# Altium PCB ESP32_LED_Matrix.PcbDoc (continued)
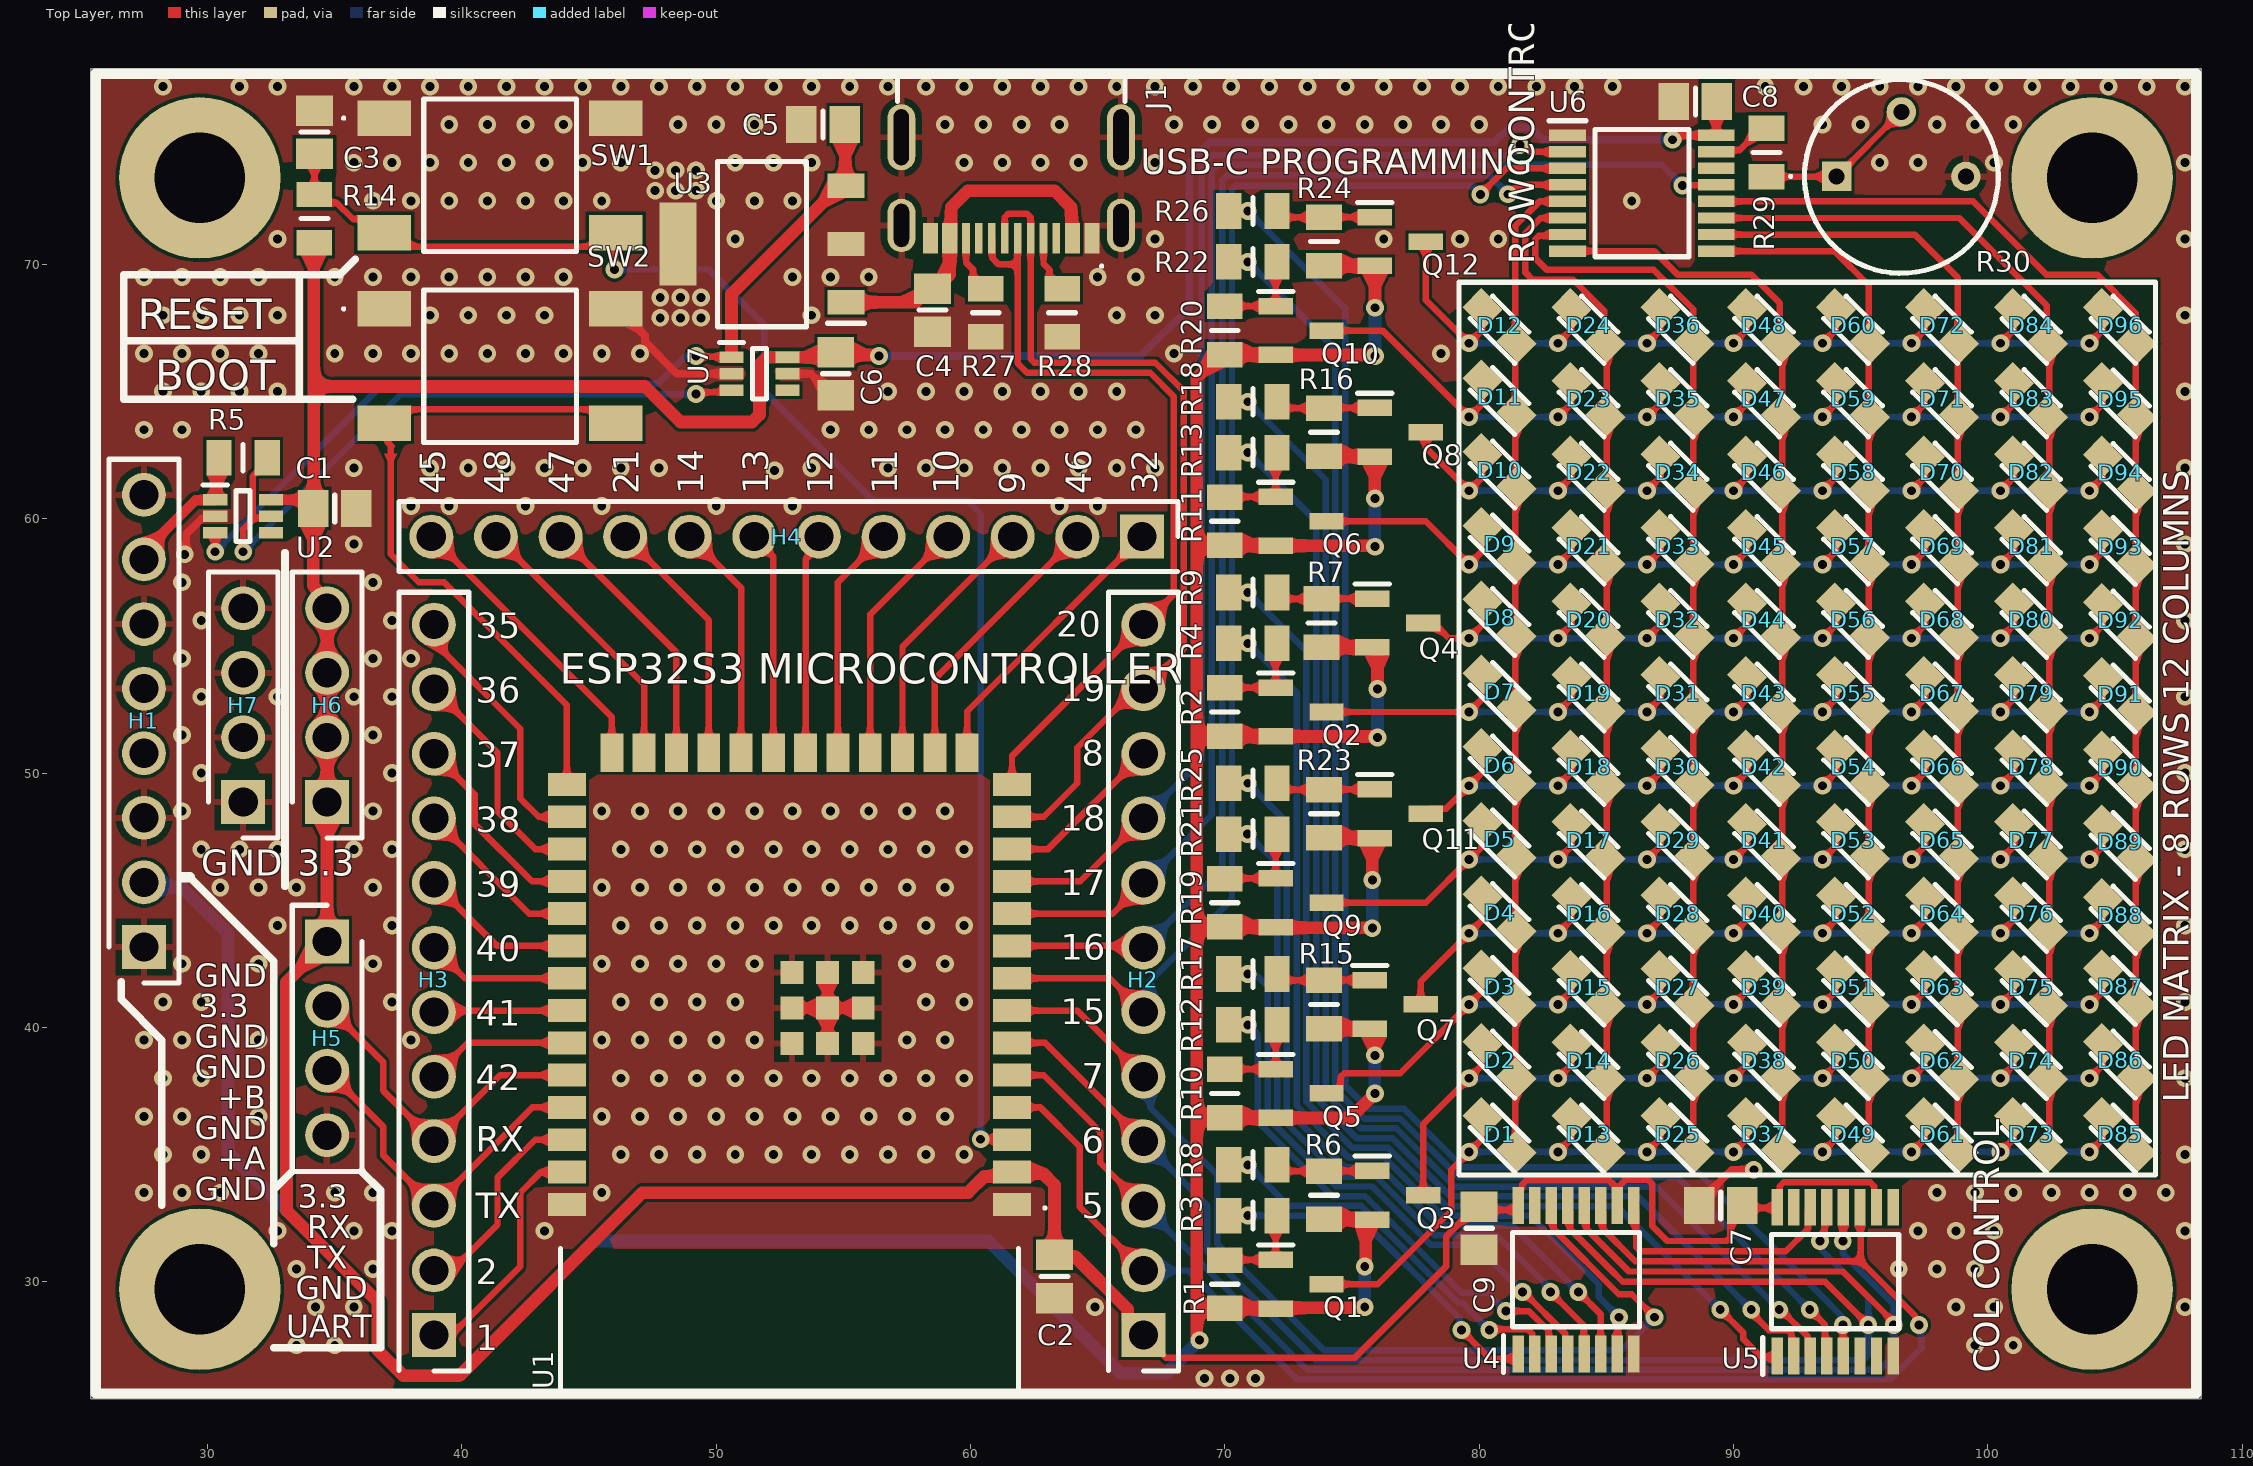
[diagram p0: Top Layer view]
## Nets (pads, with @x,y where several pads share a name; then routed paths per layer and width w, separated by ;. In a path a pad name is that pad's centre, name@x,y a point inside that pad or via, vN(x,y) a via of type N, cw(c..) or ccw(c..) an arc to the next point about the centre after c; other vN are vias at no path point)
+3.3: C1.1 C2.1 C6.1 C7.1 C8.1 C9.1 H2.1 H5.1 H6.1 H6.2 H6.3 H6.4 R14.1 U1.2 U2.6 U4.10 U4.16 U5.10 U5.16 U6.16 U7.6 | length 191.6
  Top Layer w0.254: H2.1 67.7,27 75.1,27 78.7,30.6 78.7,31.775 79.875,32.95 C9.1 ; C9.1@80,32.825 81.525,32.825 81.628,32.928 81.628,33.6 81.701,33.673 81.701,33.832 81.85,33.981 85.119,33.981 85.43,33.67 U4.10 ; 85.49,33.74 85.75,34 86.651,34 86.8,33.851 86.8,32.2 87.4,31.6 89.728,31.6 89.877,31.749 89.877,32.527 C7.1 ; C7.1@90.35,32.9 91.65,32.9 91.725,32.825 91.823,32.923 91.823,33.755 91.972,33.904 95.378,33.904 95.527,33.755 95.527,32.923 U5.10@95.625,32.825
  Top Layer w0.3: v1(87.6,74.9) 87.708,74.9 87.883,75.075 U6.16 89.325,76.375 C8.1
  Top Layer w0.4: U2.6 33.8,60.75 C1.1
  Top Layer w0.5: R14.1 34.175,70.825 34.175,65.2 ; C6.1@54.5,66.35 U7.6 51.993,66.35 51.7,66.057 51.7,64.093 51.407,63.8 48.6,63.8 47.2,65.2 34.175,65.2 ; C6.1 54.812,66.438 56.362,66.438 v1(56.4,66.4) ; H2.1 66.188,28.513 66.188,28.912 64.1,31 63.775,31 63.75,31.025 63.325,31.025 C2.1 63.3,33.8 62.838,34.262 61.679,34.262 U1.2 61.461,34.14 60.54,34.14 59.9,33.5 47.1,33.5 39.9,26.3 37.7,26.3 36.7,27.3 36.7,29.2 33.1,32.8 33.1,41.78 H5.1 H6.1 H6.2 H6.3 H6.4 34.7,56.811 34.15,57.361 C1.1 34.175,60.425 34.175,65.2
  Bottom Layer w0.3: v1(56.4,66.4) 66.7,66.4 68.6,68.3 68.6,74 69.4,74.8 80.6,74.8 81.2,75.4 82,75.4 82.5,74.9 v1(87.6,74.9)
COL_1: D1.2 D13.2 D25.2 D37.2 D49.2 D61.2 D73.2 D85.2 Q1.3 | length 46.2
  Top Layer w0.254: Q1.3 76.015,29.9 78.9,32.785 78.9,34.4 v1(79.6,35.1) 80.128,35.628 80.128,35.803 80.181,35.856 80.181,36.419 D1.2 ; v1(83.1,35.1) 83.628,35.628 83.628,35.803 83.681,35.856 83.681,36.419 D13.2 ; v1(86.6,35.1) 87.128,35.628 87.128,35.803 87.181,35.856 87.181,36.419 D25.2 ; v1(90,35.1) 90.528,35.628 90.528,35.803 90.581,35.856 90.581,36.419 D37.2 ; v1(93.5,35.1) 94.028,35.628 94.028,35.803 94.081,35.856 94.081,36.419 D49.2 ; v1(97,35.1) 97.528,35.628 97.528,35.803 97.581,35.856 97.581,36.419 D61.2 ; v1(100.5,35.1) 101.028,35.628 101.028,35.803 101.081,35.856 101.081,36.419 D73.2 ; v1(104,35.1) 104.528,35.628 104.528,35.803 104.581,35.856 104.581,36.419 D85.2
  Bottom Layer w0.254: v1(79.6,35.1) v1(93.5,35.1) v1(100.5,35.1) v1(104,35.1)
COL_2: D2.2 D14.2 D26.2 D38.2 D50.2 D62.2 D74.2 D86.2 Q3.3 | length 37.1
  Top Layer w0.254: Q3.3 77.8,36.2 v1(79.6,38) 80.128,38.528 D2.2@80.128,38.703 ; v1(83.1,38) 83.628,38.528 D14.2@83.628,38.703 ; v1(86.6,38) 87.128,38.528 D26.2@87.128,38.703 ; v1(90,38) 90.528,38.528 D38.2@90.528,38.703 ; v1(93.5,38) 94.028,38.528 D50.2@94.028,38.703 ; v1(97,38) 97.528,38.528 D62.2@97.528,38.703 ; v1(100.5,38) 101.028,38.528 D74.2@101.028,38.703 ; v1(104,38) 104.528,38.528 D86.2@104.528,38.703
  Bottom Layer w0.254: v1(79.6,38) v1(100.5,38) v1(104,38)
COL_3: D3.2 D15.2 D27.2 D39.2 D51.2 D63.2 D75.2 D87.2 Q5.3 | length 39.1
  Top Layer w0.254: Q5.3 74.35,37.4 74.548,37.598 74.548,38.051 74.697,38.2 76.9,38.2 v1(79.6,40.9) 80.128,41.428 D3.2@80.128,41.603 ; v1(83.1,40.9) 83.628,41.428 D15.2@83.628,41.603 ; v1(86.6,40.9) 87.128,41.428 D27.2@87.128,41.603 ; v1(90,40.9) 90.528,41.428 D39.2@90.528,41.603 ; v1(93.5,40.9) 94.028,41.428 D51.2@94.028,41.603 ; v1(97,40.9) 97.528,41.428 D63.2@97.528,41.603 ; v1(100.5,40.9) 101.028,41.428 D75.2@101.028,41.603 ; v1(104,40.9) 104.528,41.428 D87.2@104.528,41.603
  Bottom Layer w0.254: v1(79.6,40.9) v1(100.5,40.9) v1(104,40.9)
COL_4: D4.2 D16.2 D28.2 D40.2 D52.2 D64.2 D76.2 D88.2 Q7.3 | length 35.4
  Top Layer w0.254: Q7.3 77.7,41.8 v1(79.6,43.7) 80.128,44.228 80.128,44.403 ; v1(83.1,43.7) 83.628,44.228 D16.2@83.628,44.403 ; v1(86.6,43.7) 87.128,44.228 D28.2@87.128,44.403 ; v1(90,43.7) 90.528,44.228 D40.2@90.528,44.403 ; v1(93.5,43.7) 94.028,44.228 D52.2@94.028,44.403 ; v1(97,43.7) 97.528,44.228 D64.2@97.528,44.403 ; v1(100.5,43.7) 101.028,44.228 D76.2@101.028,44.403 ; v1(104,43.7) 104.528,44.228 D88.2@104.528,44.403
  Bottom Layer w0.254: v1(79.6,43.7) v1(100.5,43.7) v1(104,43.7)
COL_5: D5.2 D17.2 D29.2 D41.2 D53.2 D65.2 D77.2 D89.2 Q9.3 | length 38.1
  Top Layer w0.254: Q9.3 77.9,44.9 v1(79.6,46.6) 80.128,47.128 80.128,47.303 ; v1(83.1,46.6) 83.628,47.128 D17.2@83.628,47.303 ; v1(86.6,46.6) 87.128,47.128 D29.2@87.128,47.303 ; v1(90,46.6) 90.528,47.128 D41.2@90.528,47.303 ; v1(93.5,46.6) 94.028,47.128 D53.2@94.028,47.303 ; v1(97,46.6) 97.528,47.128 D65.2@97.528,47.303 ; v1(100.5,46.6) 101.028,47.128 D77.2@101.028,47.303 ; v1(104,46.6) 104.528,47.128 D89.2@104.528,47.303
  Bottom Layer w0.254: v1(79.6,46.6) v1(100.5,46.6) v1(104,46.6)
COL_6: D6.2 D18.2 D30.2 D42.2 D54.2 D66.2 D78.2 D90.2 Q11.3 | length 33.9
  Top Layer w0.254: Q11.3 78.098,48.598 78.698,48.598 79.076,48.976 v1(79.6,49.5) 80.128,50.028 80.128,50.203 ; v1(83.1,49.5) 83.628,50.028 D18.2@83.628,50.203 ; v1(86.6,49.5) 87.128,50.028 D30.2@87.128,50.203 ; v1(90,49.5) 90.528,50.028 D42.2@90.528,50.203 ; v1(93.5,49.5) 94.028,50.028 D54.2@94.028,50.203 ; v1(97,49.5) 97.528,50.028 D66.2@97.528,50.203 ; v1(100.5,49.5) 101.028,50.028 D78.2@101.028,50.203 ; v1(104,49.5) 104.528,50.028 D90.2@104.528,50.203
  Bottom Layer w0.254: v1(79.6,49.5) v1(100.5,49.5) v1(104,49.5)
COL_7: D7.2 D19.2 D31.2 D43.2 D55.2 D67.2 D79.2 D91.2 Q2.3 | length 37.4
  Top Layer w0.254: Q2.3 v1(79.6,52.4) 80.128,52.928 80.128,53.103 ; v1(83.1,52.4) 83.628,52.928 D19.2@83.628,53.103 ; v1(86.6,52.4) 87.128,52.928 D31.2@87.128,53.103 ; v1(90,52.4) 90.528,52.928 D43.2@90.528,53.103 ; v1(93.5,52.4) 94.028,52.928 D55.2@94.028,53.103 ; v1(97,52.4) 97.528,52.928 D67.2@97.528,53.103 ; v1(100.5,52.4) 101.028,52.928 D79.2@101.028,53.103 ; v1(104,52.4) 104.528,52.928 D91.2@104.528,53.103
  Bottom Layer w0.254: v1(79.6,52.4) v1(100.5,52.4) v1(104,52.4)
COL_8: D8.2 D20.2 D32.2 D44.2 D56.2 D68.2 D80.2 D92.2 Q4.3 | length 33.8
  Top Layer w0.254: Q4.3 77.998,55.702 78.398,55.702 78.8,55.3 v1(79.6,55.3) 80.128,55.828 80.128,56.003 ; v1(83.1,55.3) 83.628,55.828 D20.2@83.628,56.003 ; v1(86.6,55.3) 87.128,55.828 D32.2@87.128,56.003 ; v1(90,55.3) 90.528,55.828 D44.2@90.528,56.003 ; v1(93.5,55.3) 94.028,55.828 D56.2@94.028,56.003 ; v1(97,55.3) 97.528,55.828 D68.2@97.528,56.003 ; v1(100.5,55.3) 101.028,55.828 D80.2@101.028,56.003 ; v1(104,55.3) 104.528,55.828 D92.2@104.528,56.003
  Bottom Layer w0.254: v1(79.6,55.3) v1(100.5,55.3) v1(104,55.3)
COL_9: D9.2 D21.2 D33.2 D45.2 D57.2 D69.2 D81.2 D93.2 Q6.3 | length 38.1
  Top Layer w0.254: Q6.3 77.9,59.9 v1(79.6,58.2) 80.128,58.728 80.128,58.903 ; v1(83.1,58.2) 83.628,58.728 D21.2@83.628,58.903 ; v1(86.6,58.2) 87.128,58.728 D33.2@87.128,58.903 ; v1(90,58.2) 90.528,58.728 D45.2@90.528,58.903 ; v1(93.5,58.2) 94.028,58.728 D57.2@94.028,58.903 ; v1(97,58.2) 97.528,58.728 D69.2@97.528,58.903 ; v1(100.5,58.2) 101.028,58.728 D81.2@101.028,58.903 ; v1(104,58.2) 104.528,58.728 D93.2@104.528,58.903
  Bottom Layer w0.254: v1(79.6,58.2) v1(100.5,58.2) v1(104,58.2)
COL_10: D10.2 D22.2 D34.2 D46.2 D58.2 D70.2 D82.2 D94.2 Q8.3 | length 34.8
  Top Layer w0.254: Q8.3 77.9,62.8 v1(79.6,61.1) 80.128,61.628 80.128,61.803 ; v1(83.1,61.1) 83.628,61.628 D22.2@83.628,61.803 ; v1(86.6,61.1) 87.128,61.628 D34.2@87.128,61.803 ; v1(90,61.1) 90.528,61.628 D46.2@90.528,61.803 ; v1(93.5,61.1) 94.028,61.628 D58.2@94.028,61.803 ; v1(97,61.1) 97.528,61.628 D70.2@97.528,61.803 ; v1(100.5,61.1) 101.028,61.628 D82.2@101.028,61.803 ; v1(104,61.1) 104.528,61.628 D94.2@104.528,61.803
  Bottom Layer w0.254: v1(79.6,61.1) v1(100.5,61.1) v1(104,61.1)
COL_11: D11.2 D23.2 D35.2 D47.2 D59.2 D71.2 D83.2 D95.2 Q10.3 | length 38.8
  Top Layer w0.254: Q10.3 76.2,67.4 v1(79.6,64) 80.128,64.528 80.128,64.703 ; v1(83.1,64) 83.628,64.528 D23.2@83.628,64.703 ; v1(86.6,64) 87.128,64.528 D35.2@87.128,64.703 ; v1(90,64) 90.528,64.528 D47.2@90.528,64.703 ; v1(93.5,64) 94.028,64.528 D59.2@94.028,64.703 ; v1(97,64) 97.528,64.528 D71.2@97.528,64.703 ; v1(100.5,64) 101.028,64.528 D83.2@101.028,64.703 ; v1(104,64) 104.528,64.528 D95.2@104.528,64.703
  Bottom Layer w0.254: v1(79.6,64) v1(100.5,64) v1(104,64)
COL_12: D12.2 D24.2 D36.2 D48.2 D60.2 D72.2 D84.2 D96.2 Q12.3 | length 36.5
  Top Layer w0.254: Q12.3 77.9,68.6 v1(79.6,66.9) 80.128,67.428 D12.2@80.128,67.603 ; v1(83.1,66.9) 83.628,67.428 D24.2@83.628,67.603 ; v1(86.6,66.9) 87.128,67.428 D36.2@87.128,67.603 ; v1(90,66.9) 90.528,67.428 D48.2@90.528,67.603 ; v1(93.5,66.9) 94.028,67.428 D60.2@94.028,67.603 ; v1(97,66.9) 97.528,67.428 D72.2@97.528,67.603 ; v1(100.5,66.9) 101.028,67.428 D84.2@101.028,67.603 ; v1(104,66.9) 104.528,67.428 D96.2@104.528,67.603
  Bottom Layer w0.254: v1(79.6,66.9) v1(100.5,66.9) v1(104,66.9)
COL_DS: H2.5 U1.7 U4.14 | length 39.7
  Top Layer w0.254: U1.7 64.2,40.66 H2.5 ; U4.14@82.825,32.825 82.923,32.727 82.923,32.068 85.491,29.5 86,29.5 v1(86.9,28.6)
  Bottom Layer w0.254: H2.5 67.081,37.779 67.081,36.818 69.7,34.199 69.7,31.5 73.9,27.3 85.6,27.3 v1(86.9,28.6)
COL_OE: H2.4 U1.6 U4.13 U5.13 | length 60.2
  Top Layer w0.254: U1.6 62.93,39.39 65.2,37.12 H2.4 ; U4.13@83.475,32.825 83.573,32.727 83.573,32.068 85.122,30.519 85.641,30 93.6,30 v1(95.3,28.3) ; v1(93.4,31.6) 93.4,31.721 93.577,31.898 93.577,32.727 U5.13@93.675,32.825
  Bottom Layer w0.254: H2.4@67.103,35.197 69.3,33 69.3,31.2 73.581,26.919 95.108,26.919 95.3,27.111 v1(95.3,28.3) 95.3,29.4 93.485,31.215 93.485,31.515 v1(93.4,31.6)
COL_SH_CP: H2.2 U1.4 U4.11 U5.11 | length 60
  Top Layer w0.254: U1.4 62.75,36.85 64.3,35.3 64.3,32.94 H2.2 ; U4.11@84.775,32.825 84.873,32.727 84.873,32.068 86.141,30.8 95,30.8 ; U5.11@94.975,32.825 95,32.8 95,30.8 ; v1(97.3,28.3) 97.3,28.421 97.137,28.584 97.137,28.663 95,30.8
  Bottom Layer w0.254: H2.2 68.56,30.44 72.843,26.157 96.157,26.157 97.4,27.4 97.4,27.654 97.385,27.669 97.385,28.215 v1(97.3,28.3)
COL_ST_CP: H2.3 U1.5 U4.12 U5.12 | length 61.5
  Top Layer w0.254: U1.5 62.88,38.12 65.1,35.9 65.1,34.68 H2.3 ; U4.12@84.125,32.825 84.223,32.727 84.223,32.068 85.891,30.4 94.3,30.4 96.3,28.4 v1(96.3,28.3) ; v1(94.3,31.6) 94.313,31.613 94.313,32.812 U5.12@94.325,32.825
  Bottom Layer w0.254: H2.3 73.242,26.538 95.738,26.538 96.3,27.1 v1(96.3,28.3) 96.3,29.1 94.313,31.087 94.313,31.587 v1(94.3,31.6)
EXT_SUPP_EN: R5.1 U2.5 U7.3 | length 26.7
  Top Layer w0.254: v1(31.4,58.7) 31.4,59.6 31.835,60.035 ; R5.1 32.35,62.2 31.977,61.827 31.92,61.827 31.771,61.678 31.771,60.098 31.835,60.035 ; U2.5 32.435,60.035 31.835,60.035 ; v1(49.2,64.9) 49.275,64.975 50.525,64.975 U7.3
  Bottom Layer w0.254: v1(31.4,58.7) 37.6,64.9 v1(49.2,64.9)
GND: C1.2 C2.2 C3.2 C4.2 C5.2 C6.2 C7.2 C8.2 C9.2 H1.1 H1.3 H1.5 H1.6 H1.8 H5.4 H7.1 H7.2 H7.3 H7.4 J1.1 J1.2 J1.3 J1.14 J1.15 J1.16 R27.1 R28.1 R30.3 SW1.1 SW1.2 SW2.1 SW2.2 U1.1 U1.40 U1.41 U1.42 U1.43 U1.44 U1.45 U1.46 U1.47 U1.48 U1.49 U2.2 U3.2 U3.4 U4.8 U5.8 U6.1 U7.2 U7.5 | length 18.7
  Top Layer w0.3: v1(29.1,58.6) 29.158,58.658 29.158,59.4 29.783,60.025 30.225,60.025 U2.2 ; SW2.2 46.139,68.25 47.2,67.189 47.2,66.95 48.45,65.7 U7.2 ; U7.5 53.725,65.7 54.575,64.85 C6.2 ; C7.2 88.65,33.125 89.925,34.4 v1(90.8,34.4)
  Top Layer w0.4: U1.48 U1.41 ; U1.42 U1.41 ; U1.46 U1.41 ; U1.44 U1.41
  other v1: 69.2,26.2 70.2,26.2 71.2,26.2 33.5,27.5 35,27.5 99.5,27.5 101,27.5 34.25,29 35.75,29 64.9,29 98.75,29 100.25,29 107.75,29 33.5,30.5 36.5,30.5 96.5,30.5 98,30.5 99.5,30.5 32.75,32 35.75,32 37.25,32 43.25,32 97.25,32 98.75,32 100.25,32 107.75,32 27.5,33.5 29,33.5 30.5,33.5 35,33.5 36.5,33.5 45.5,33.5 98,33.5 99.5,33.5 101,33.5 102.5,33.5 104,33.5 105.5,33.5 107,33.5 28.25,35 29.75,35 46.25,35 47.75,35 49.25,35 50.75,35 52.25,35 53.75,35 55.25,35 56.75,35 58.25,35 59.75,35 107.75,35 27.5,36.5 29,36.5 32,36.5 45.5,36.5 47,36.5 48.5,36.5 50,36.5 51.5,36.5 53,36.5 54.5,36.5 56,36.5 57.5,36.5 59,36.5 28.25,38 29.75,38 46.25,38 47.75,38 49.25,38 50.75,38 52.25,38 53.75,38 55.25,38 56.75,38 58.25,38 59.75,38 107.75,38 27.5,39.5 29,39.5 32,39.5 38,39.5 45.5,39.5 47,39.5 48.5,39.5 50,39.5 51.5,39.5 57.5,39.5 59,39.5 28.25,41 29.75,41 37.25,41 46.25,41 47.75,41 49.25,41 50.75,41 58.25,41 59.75,41 107.75,41 29,42.5 32,42.5 36.5,42.5 45.5,42.5 47,42.5 48.5,42.5 50,42.5 51.5,42.5 57.5,42.5 59,42.5 32.75,44 37.25,44 46.25,44 47.75,44 49.25,44 50.75,44 52.25,44 53.75,44 55.25,44 56.75,44 58.25,44 59.75,44 107.75,44 30.5,45.5 32,45.5 33.5,45.5 36.5,45.5 45.5,45.5 47,45.5 48.5,45.5 50,45.5 51.5,45.5 53,45.5 54.5,45.5 56,45.5 57.5,45.5 59,45.5 29.75,47 31.25,47 32.75,47 35.75,47 37.25,47 46.25,47 47.75,47 49.25,47 50.75,47 52.25,47 53.75,47 55.25,47 56.75,47 58.25,47 59.75,47 107.75,47 29,48.5 36.5,48.5 45.5,48.5 47,48.5 48.5,48.5 50,48.5 51.5,48.5 53,48.5 54.5,48.5 56,48.5 57.5,48.5 59,48.5 29.75,50 37.25,50 107.75,50 29,51.5 36.5,51.5 29.75,53 32.75,53 35.75,53 37.25,53 107.75,53 29,54.5 36.5,54.5 38,54.5 29.75,56 37.25,56 107.75,56 29,57.5 36.5,57.5 35.75,59 107.75,59 38,60.5 39.5,60.5 42.5,60.5 45.5,60.5 50,60.5 53,60.5 63.5,60.5 65,60.5 52.3,61.9 35.75,62 38.75,62 40.25,62 41.75,62 43.25,62 44.75,62 46.25,62 47.75,62 53.75,62 56.75,62 58.25,62 59.75,62 61.25,62 62.75,62 64.25,62 65.75,62 67.25,62 107.75,62 27.5,63.5 29,63.5 54.5,63.5 56,63.5 57.5,63.5 59,63.5 60.5,63.5 62,63.5 63.5,63.5 65,63.5 66.5,63.5 28.25,65 29.75,65 31.25,65 32.75,65 56.75,65 58.25,65 59.75,65 61.25,65 62.75,65 64.25,65 65.75,65 107.75,65 27.5,66.5 29,66.5 30.5,66.5 32,66.5 35,66.5 36.5,66.5 38,66.5 39.5,66.5 41,66.5 42.5,66.5 44,66.5 45.5,66.5 47,66.5 68,66.5 78.5,66.5 47.8,67.9 48.6,67.9 49.4,67.9 28.25,68 29.75,68 31.25,68 32.75,68 38.75,68 40.25,68 41.75,68 43.25,68 53.75,68 65.75,68 67.25,68 107.75,68 47.8,68.7 48.6,68.7 49.4,68.7 27.5,69.5 29,69.5 30.5,69.5 32,69.5 35,69.5 36.5,69.5 38,69.5 39.5,69.5 41,69.5 42.5,69.5 44,69.5 53,69.5 54.5,69.5 56,69.5 65,69.5 66.5,69.5 32.75,71 50.75,71 67.25,71 76.25,71 79.25,71 80.75,71 107.75,71 36.5,72.5 38,72.5 39.5,72.5 41,72.5 42.5,72.5 44,72.5 45.5,72.5 50,72.5 51.5,72.5 53,72.5 86,72.5 47.6,72.9 48.4,72.9 49.2,72.9 47.6,73.7 48.4,73.7 49.2,73.7 35.75,74 37.25,74 38.75,74 40.25,74 41.75,74 43.25,74 44.75,74 46.25,74 50.75,74 52.25,74 53.75,74 59.75,74 61.25,74 62.75,74 64.25,74 67.25,74 95.75,74 97.25,74 100.25,74 107.75,74 39.5,75.5 41,75.5 42.5,75.5 44,75.5 48.5,75.5 50,75.5 51.5,75.5 59,75.5 60.5,75.5 62,75.5 63.5,75.5 68,75.5 69.5,75.5 71,75.5 72.5,75.5 74,75.5 75.5,75.5 77,75.5 78.5,75.5 80,75.5 93.5,75.5 95,75.5 98,75.5 99.5,75.5 101,75.5 28.25,77 31.25,77 32.75,77 35.75,77 37.25,77 38.75,77 40.25,77 41.75,77 43.25,77 44.75,77 46.25,77 47.75,77 49.25,77 50.75,77 52.25,77 53.75,77 55.25,77 56.75,77 58.25,77 59.75,77 61.25,77 62.75,77 64.25,77 65.75,77 67.25,77 68.75,77 70.25,77 71.75,77 73.25,77 74.75,77 76.25,77 77.75,77 79.25,77 80.75,77 82.25,77 83.75,77 85.25,77 91.25,77 92.75,77 94.25,77 95.75,77 97.25,77 98.75,77 100.25,77 101.75,77 103.25,77 104.75,77 106.25,77 107.75,77
GPIO1: H3.1 U1.39 | length 9.9
  Top Layer w0.254: H3.1@38.9,27.2 42.3,30.6 42.3,33.5 43.11,34.31 U1.39
GPIO2: H3.2 U1.38 | length 8.7
  Top Layer w0.254: H3.2@38.9,29.74 41.4,32.24 41.4,34.1 42.88,35.58 U1.38
GPIO3: H4.1 U1.15 | length 11.3
  Top Layer w0.254: U1.15 59.866,52.426 H4.1
GPIO8: H2.10 U1.12 | length 6.7
  Top Layer w0.254: U1.12 63.05,47.01 H2.10
GPIO9: H4.3 U1.17 | length 10.3
  Top Layer w0.254: U1.17 57.326,54.966 H4.3
GPIO10: H4.4 U1.18 | length 9.8
  Top Layer w0.254: U1.18 56.056,56.236 H4.4
GPIO11: H4.5 U1.19 | length 9.2
  Top Layer w0.254: U1.19 54.786,57.506 H4.5
GPIO12: H4.6 U1.20 | length 8.7
  Top Layer w0.254: U1.20 53.516,58.416 54.04,58.94 H4.6
GPIO13: H4.7 U1.21 | length 8.8
  Top Layer w0.254: H4.7 51.5,59.244 52.246,58.498 U1.21
GPIO14: H4.8 U1.22 | length 9.3
  Top Layer w0.254: H4.8 50.976,57.284 U1.22
GPIO15: H2.6 U1.8 U6.3 | length 53.3
  Top Layer w0.254: U1.8 65.47,41.93 H2.6 ; v1(80.045,72.755) 81.066,73.775 U6.3
  Bottom Layer w0.254: H2.6 67.081,40.881 67.081,41.842 70.281,45.042 70.281,72.951 70.43,73.1 79.7,73.1 v1(80.045,72.755)
GPIO16: H2.7 U1.9 U6.4 | length 50.8
  Top Layer w0.254: U1.9 66.74,43.2 H2.7 ; v1(81.14,72.76) 81.261,72.76 81.626,73.125 U6.4
  Bottom Layer w0.254: H2.7 69.9,46.24 69.9,73.3 70.1,73.5 80.4,73.5 v1(81.14,72.76)
GPIO17: H2.8 U1.10 U6.13 | length 55.1
  Top Layer w0.254: U1.10 65.59,44.47 H2.8 ; v1(88,73.1) 88.012,73.113 89.313,73.113 U6.13
  Bottom Layer w0.254: H2.8 69.481,48.361 69.481,73.681 69.719,73.919 87.181,73.919 v1(88,73.1)
GPIO18: H2.9 U1.11 U6.2 | length 47.6
  Top Layer w0.254: U1.11 64.32,45.74 H2.9 ; v1(81.6,74.7) 81.721,74.7 81.996,74.425 U6.2
  Bottom Layer w0.254: H2.9 69.1,50.52 69.1,73.9 69.5,74.3 81.2,74.3 v1(81.6,74.7)
GPIO19: H2.11 J1.8 J1.10 U1.13 | length 34.5
  Top Layer w0.254: J1.8 61.346,71.851 61.495,72 62.213,72 62.362,71.851 J1.10 62.362,66.287 62.511,66.138 67.262,66.138 68.381,65.019 68.381,54.881 H2.11 66.5,53.3 64.2,51 64.2,49.6 62.88,48.28 U1.13
GPIO20: H2.12 J1.7 J1.9 U1.14 | length 31.4
  Top Layer w0.254: J1.7 60.861,71.002 60.861,70.239 61.1,70 61.854,70 ; U1.14 61.631,50.671 H2.12 68,57.04 68,64.8 67.062,65.738 62.223,65.738 61.854,66.107 61.854,70 ; J1.9 61.854,70
GPIO21: H4.9 U1.23 | length 9.9
  Top Layer w0.254: H4.9 49.706,56.014 U1.23
GPIO35: H3.12 U1.28 | length 9.7
  Top Layer w0.254: H3.12@38.9,55.14 42.3,51.74 42.3,49 43.02,48.28 U1.28
GPIO36: H3.11 U1.29 | length 9.2
  Top Layer w0.254: H3.11 41.4,50.8 41.4,48.5 42.89,47.01 U1.29
GPIO37: H3.10 U1.30 | length 8
  Top Layer w0.254: H3.10 40.5,49.16 40.5,48 42.76,45.74 U1.30
GPIO38: H3.9 U1.31 | length 6.8
  Top Layer w0.254: H3.9 42.65,44.47 U1.31
GPIO39: H3.8 U1.32 | length 6.3
  Top Layer w0.254: H3.8 41.38,43.2 U1.32
GPIO40: H3.7 U1.33 | length 5.7
  Top Layer w0.254: H3.7 40.11,41.93 U1.33
GPIO41: H3.6 U1.34 | length 5.3
  Top Layer w0.254: H3.6 38.96,40.66 U1.34
GPIO42: H3.5 U1.35 | length 5.8
  Top Layer w0.254: H3.5 40.23,39.39 U1.35
GPIO45: H4.12 U1.26 | length 11.4
  Top Layer w0.254: H4.12 45.896,52.204 U1.26
GPIO46: H4.2 U1.16 | length 10.8
  Top Layer w0.254: U1.16 58.596,53.696 H4.2
GPIO47: H4.10 U1.24 | length 10.4
  Top Layer w0.254: H4.10 48.436,54.744 U1.24
GPIO48: H4.11 U1.25 | length 10.9
  Top Layer w0.254: H4.11 47.166,53.474 U1.25
MCU_BOOT: SW2.3 SW2.4 U1.27 | length 28.2
  Top Layer w0.254: U1.27 44.131,52.669 39.3,57.5 38.3,57.5 37.2,58.6 37.2,62.8 37.246,62.846 37.097,62.995 37.024,63.122 36.95,63.196 SW2.3 37.5,64.3 45.5,64.3 SW2.4 ; SW2.4@46,63.8 SW2.4@46.6,63.2
MCU_EN: C3.1 R14.2 SW1.3 SW1.4 U1.3 | length 62
  Top Layer w0.254: C3.1 R14.2 34.54,72.41 35.09,72.41 35.71,71.79 36.41,71.79 SW1.3 ; SW1.3@36.3,70.7 45.6,70.7 SW1.4@46,71.1 ; v1(46,69.8) SW1.4@46,71.1 ; SW1.4@46.1,71.2 SW1.4@46,71.1 ; v1(60.4,35.6) 61.611,35.6 U1.3
  Bottom Layer w0.254: v1(46,69.8) 49.7,69.8 51.896,67.604 51.896,65.004 56.2,60.7 59.9,60.7 60.4,60.2 v1(60.4,35.6)
NetC4_1: C4.1 J1.4 J1.13 U3.1 | length 13.7
  Top Layer w0.5: U3.1 57.835,68.51 58.375,69.05 C4.1 58.625,69.05 59.187,69.612 J1.4 59.237,71.075 59.237,72.237 59.9,72.9 63.3,72.9 63.963,72.237 63.963,71.075 J1.13
NetJ1_5: J1.5 R27.2 | length 2.4
  Top Layer w0.254: J1.5 59.822,70.078 60.1,69.8 60.1,69.423 60.473,69.05 R27.2
NetJ1_11: J1.11 R28.2 | length 2.4
  Top Layer w0.254: J1.11 62.87,70.03 63.1,69.8 63.1,69.423 63.473,69.05 R28.2
NetQ1_1: Q1.1 R1.2 R3.2 | length 3.8
  Top Layer w0.254: R1.2 70.01,30.86 Q1.1 72,32.55 R3.2
NetQ2_1: Q2.1 R2.2 R4.2 | length 3.7
  Top Layer w0.254: R2.2@70.01,53.36 Q2.1 R4.2@72,55.05
NetQ3_1: Q3.1 R6.2 R8.2 | length 3.9
  Top Layer w0.254: R8.2 72.3,34.35 R6.2 ; R6.2@73.9,34.36 Q3.1
NetQ4_1: Q4.1 R7.2 R9.2 | length 3.9
  Top Layer w0.254: R9.2 72.3,56.85 R7.2@73.9,56.85 ; R7.2@73.81,56.86 Q4.1
NetQ5_1: Q5.1 R10.2 R12.2 | length 3.7
  Top Layer w0.254: R10.2@70.01,38.36 Q5.1 R12.2@72,40.05
NetQ6_1: Q6.1 R11.2 R13.2 | length 3.7
  Top Layer w0.254: R11.2@70.01,60.86 Q6.1 R13.2@72,62.55
NetQ7_1: Q7.1 R15.2 R17.2 | length 3.9
  Top Layer w0.254: R17.2@71.95,42.1 72.2,41.85 R15.2@73.8,41.85 ; R15.2@73.71,41.86 Q7.1
NetQ8_1: Q8.1 R16.2 R18.2 | length 3.9
  Top Layer w0.254: R18.2@72.15,64.6 72.4,64.35 R16.2@74,64.35 ; R16.2@73.91,64.36 Q8.1
NetQ9_1: Q9.1 R19.2 R21.2 | length 3.7
  Top Layer w0.254: R19.2@70.01,45.86 Q9.1 R21.2@72,47.55
NetQ10_1: Q10.1 R20.2 R22.2 | length 3.7
  Top Layer w0.254: R20.2@70.01,68.36 Q10.1 R22.2@72,70.05
NetQ11_1: Q11.1 R23.2 R25.2 | length 3.9
  Top Layer w0.254: R25.2@72.15,49.6 72.4,49.35 R23.2@74,49.35 ; R23.2@73.91,49.36 Q11.1
NetQ12_1: Q12.1 R24.2 R26.2 | length 3.9
  Top Layer w0.254: R26.2@72.15,72.1 72.4,71.85 R24.2@74,71.85 ; R24.2@73.91,71.86 Q12.1
NetR29_1: R29.1 U6.15 | length 2.4
  Top Layer w0.254: U6.15 89.39,74.49 90.24,74.49 91.1,75.35 R29.1
NetR29_2: R29.2 R30.1 R30.2 | length 6.4
  Top Layer w0.254: R29.2 93.85,73.45 R30.1@94.06,73.66 ; R30.1 R30.2
NetU4_9: U4.9 U5.14 | length 9.5
  Top Layer w0.254: U4.9@86.075,32.825 86.173,32.727 86.173,31.349 86.322,31.2 92.059,31.2 92.927,32.068 92.927,32.727 U5.14@93.025,32.825
ROW_1: D1.1 D2.1 D3.1 D4.1 D5.1 D6.1 D7.1 D8.1 D9.1 D10.1 D11.1 D12.1 U6.5 | length 39
  Top Layer w0.254: D1.1 81.419,35.181 81.419,66.206 81.525,66.312 81.525,66.875 81.419,66.981 81.419,71.519 82.375,72.475 U6.5
ROW_2: D13.1 D14.1 D15.1 D16.1 D17.1 D18.1 D19.1 D20.1 D21.1 D22.1 D23.1 D24.1 U6.6 | length 40.9
  Top Layer w0.254: U6.6@84.006,71.825 82.425,71.825 81.819,71.219 81.819,69.681 82.1,69.4 83.7,69.4 84.919,68.181 84.919,66.981 D24.1 85.025,66.875 85.025,63.984 85.025,61.093 85.025,58.202 85.025,55.312 85.025,52.421 85.025,49.53 85.025,46.639 85.025,43.748 85.025,40.857 85.025,37.966 85.025,35.85 84.919,35.744 84.919,35.181 D13.1
ROW_3: D25.1 D26.1 D27.1 D28.1 D29.1 D30.1 D31.1 D32.1 D33.1 D34.1 D35.1 D36.1 U6.7 | length 42.4
  Top Layer w0.254: U6.7 83.42,71.12 82.349,71.12 82.2,70.972 82.2,70.249 82.668,69.781 86.87,69.781 88.419,68.232 88.419,66.981 D36.1 88.525,66.875 88.525,66.312 88.419,66.206 88.419,35.181 D25.1
ROW_4: D37.1 D38.1 D39.1 D40.1 D41.1 D42.1 D43.1 D44.1 D45.1 D46.1 D47.1 D48.1 U6.8 | length 42.7
  Top Layer w0.254: U6.8 86.875,70.525 87.8,69.6 90.7,69.6 91.819,68.481 91.819,66.981 D48.1 91.925,66.875 91.925,58.256 91.925,52.474 91.925,35.85 91.819,35.744 91.819,35.181 D37.1
ROW_5: D49.1 D50.1 D51.1 D52.1 D53.1 D54.1 D55.1 D56.1 D57.1 D58.1 D59.1 D60.1 U6.9 | length 40.7
  Top Layer w0.254: U6.9 93.975,70.525 95.319,69.181 95.319,66.981 D60.1 95.425,66.875 95.425,66.312 95.319,66.206 95.319,64.037 95.319,55.365 95.319,49.583 95.319,35.181 D49.1
ROW_6: D61.1 D62.1 D63.1 D64.1 D65.1 D66.1 D67.1 D68.1 D69.1 D70.1 D71.1 D72.1 U6.10 | length 44.7
  Top Layer w0.254: U6.10 97.125,71.175 98.819,69.481 98.819,66.981 D72.1 98.925,66.875 98.925,66.312 98.819,66.206 98.819,64.037 98.819,55.365 98.819,49.583 98.819,35.181 D61.1
ROW_7: D73.1 D74.1 D75.1 D76.1 D77.1 D78.1 D79.1 D80.1 D81.1 D82.1 D83.1 D84.1 U6.11 | length 47.8
  Top Layer w0.254: U6.11 98.875,71.825 102.319,68.381 102.319,66.981 D84.1 102.425,66.875 102.425,55.365 102.425,49.583 102.425,35.85 102.319,35.744 102.319,35.181 D73.1
ROW_8: D85.1 D86.1 D87.1 D88.1 D89.1 D90.1 D91.1 D92.1 D93.1 D94.1 D95.1 D96.1 U6.12 | length 51.4
  Top Layer w0.254: U6.12 99.425,72.475 102.3,69.6 104.302,69.6 105.819,68.083 105.819,66.981 D96.1 105.925,66.875 105.925,66.312 105.819,66.206 105.819,64.028 105.819,55.328 105.819,49.528 105.819,35.181 D85.1
SIG_COL_1: R3.1 U4.1 | length 13.9
  Top Layer w0.254: R3.1 v1(70.9,32.6) ; v1(79.3,28.1) 80.425,26.975 U4.1@81.525,26.975
  Bottom Layer w0.254: v1(70.9,32.6) 75.2,32.6 79.237,28.563 79.237,28.163 v1(79.3,28.1)
SIG_COL_2: R8.1 U4.2 | length 15.7
  Top Layer w0.254: R8.1 70.162,34.588 v1(70.9,34.588) ; v1(80.4,28.1) 80.431,28.131 81.902,28.131 82.082,27.951 82.082,27.068 U4.2@82.175,26.975
  Bottom Layer w0.254: v1(70.9,34.588) 72.506,32.981 75.358,32.981 79.158,29.181 79.319,29.181 v1(80.4,28.1)
SIG_COL_3: R12.1 U4.3 | length 20.7
  Top Layer w0.254: R12.1 v1(70.9,40.1) ; v1(81.058,28.842) 81.958,28.842 82.735,28.065 82.735,27.065 U4.3@82.825,26.975
  Bottom Layer w0.254: v1(70.9,40.1) 71.3,39.7 71.3,36.291 74.229,33.362 75.516,33.362 79.316,29.562 80.338,29.562 v1(81.058,28.842)
SIG_COL_4: R17.1 U4.4 | length 23
  Top Layer w0.254: R17.1 v1(70.9,42.1) ; v1(81.7,29.6) 81.739,29.6 83.377,27.962 U4.4@83.377,27.073
  Bottom Layer w0.254: v1(70.9,42.1) 70.985,42.015 71.285,42.015 71.681,41.619 71.681,36.449 74.387,33.743 75.792,33.743 78.087,31.448 79.852,31.448 v1(81.7,29.6)
SIG_COL_5: R21.1 U4.5 | length 29.1
  Top Layer w0.254: R21.1 v1(70.896,47.6) ; v1(82.8,29.6) 84.112,28.287 84.112,26.988 U4.5@84.125,26.975
  Bottom Layer w0.254: v1@70.9,47.596 72.062,46.434 72.062,36.607 74.545,34.124 75.95,34.124 78.245,31.829 80.692,31.829 82.8,29.721 v1(82.8,29.6)
SIG_COL_6: R25.1 U4.6 | length 31.6
  Top Layer w0.254: R25.1 v1(70.9,49.6) ; v1(83.9,29.6) 84.775,28.725 U4.6@84.775,26.975
  Bottom Layer w0.254: v1(70.9,49.6) 72.443,48.057 72.443,36.765 74.703,34.505 76.108,34.505 78.403,32.21 81.29,32.21 v1(83.9,29.6)
SIG_COL_7: R4.1 U4.7 | length 37.8
  Top Layer w0.254: R4.1 v1(70.9,55.1) ; U4.7@85.425,26.975 85.462,27.012 85.462,28.563 v1(85.5,28.6)
  Bottom Layer w0.254: v1(70.9,55.1) 72.824,53.176 72.824,36.923 74.861,34.886 76.266,34.886 78.561,32.591 82.009,32.591 84.7,29.9 84.7,29.4 v1(85.5,28.6)
SIG_COL_8: R9.1 U5.1 | length 44.6
  Top Layer w0.254: R9.1 v1(70.9,57.1) ; v1(89.479,28.9) 90.393,27.986 90.393,27.74 91.1,27.032 91.627,27.032 91.684,26.975 U5.1@91.725,26.975
  Bottom Layer w0.254: v1(70.9,57.1) 73.205,54.795 73.205,37.081 75.019,35.267 76.424,35.267 78.719,32.972 85.407,32.972 v1(89.479,28.9)
SIG_COL_9: R13.1 U5.2 | length 50.8
  Top Layer w0.254: R13.1 v1(70.9,62.6) ; v1(90.7,28.9) 90.7,28.779 91.383,28.096 92.128,28.096 92.277,27.947 92.277,27.073 U5.2@92.375,26.975
  Bottom Layer w0.254: v1(70.9,62.6) 73.586,59.914 73.586,37.238 75.176,35.648 76.581,35.648 78.876,33.353 86.247,33.353 v1(90.7,28.9)
SIG_COL_10: R18.1 U5.3 | length 53
  Top Layer w0.254: R18.1 v1(70.9,64.6) ; v1(91.8,28.9) 91.863,28.9 92.927,27.836 92.927,27.073 U5.3@93.025,26.975
  Bottom Layer w0.254: v1(70.9,64.6) 73.967,61.533 73.967,37.396 75.334,36.029 76.739,36.029 79.034,33.734 86.966,33.734 v1(91.8,28.9)
SIG_COL_11: R22.1 U5.4 | length 59
  Top Layer w0.254: R22.1 v1(70.9,70.1) ; v1(93,28.9) 93.598,28.302 93.598,27.094 U5.4@93.577,27.073
  Bottom Layer w0.254: v1(70.9,70.1) 74.348,66.652 74.348,37.554 75.492,36.41 76.897,36.41 79.192,34.115 87.785,34.115 v1(93,28.9)
SIG_COL_12: R26.1 U5.5 | length 61.7
  Top Layer w0.254: R26.1 v1(70.9,72.1) ; v1(94.3,28.3) 94.313,28.287 94.313,26.988 U5.5@94.325,26.975
  Bottom Layer w0.254: v1(70.9,72.1) 74.729,68.271 74.729,37.712 75.65,36.791 77.055,36.791 79.35,34.496 88.404,34.496 93.8,29.1 93.8,29.092 94.215,28.677 94.215,28.385 v1(94.3,28.3)
UPDI_RX: H3.4 H5.2 U1.36 | length 13.4
  Top Layer w0.254: H5.2 36.9,38.64 36.9,37.52 H3.4 41.5,38.12 U1.36
UPDI_TX: H3.3 H5.3 U1.37 | length 13.9
  Top Layer w0.254: H5.3 36.9,36.1 36.9,34.98 H3.3 40.5,34.58 42.77,36.85 U1.37
USB_SUPP_EN: C5.1 U2.3 U3.3 U7.1 | length 35.2
  Top Layer w0.254: v1(30.3,58.7) U2.3 ; v1(49.2,66.4) 49.225,66.375 50.575,66.375 U7.1
  Top Layer w0.5: 50.6,66.6 50.6,68.84 54.85,73.09 U3.3 55.075,73.115 55.075,75.475 C5.1
  Bottom Layer w0.254: v1(30.3,58.7) 36.9,65.3 47.7,65.3 48.8,66.4 v1(49.2,66.4)
V_MCU: H1.7 R5.2 U2.1 | length 5.7
  Top Layer w0.4: H1.7 27.5,58.7 29.525,60.725 30.275,60.725 U2.1 30.35,60.75 30.375,60.775 30.375,62.325 R5.2
VCC_1: H1.2 Q1.2 Q2.2 Q3.2 Q4.2 Q5.2 Q6.2 Q7.2 Q8.2 Q9.2 Q10.2 Q11.2 Q12.2 R1.1 R2.1 R6.1 R7.1 R10.1 R11.1 R15.1 R16.1 R19.1 R20.1 R23.1 R24.1 | length 172.9
  Top Layer w0.5: 68.9,58.95 R11.1 70.005,58.945 71.995,58.945 Q6.2 75.86,58.94 v1(75.9,58.9) ; v1(69,27.7) 69,27.754 68.9,27.854 68.9,28.95 ; R10.1@69.995,36.455 68.9,36.455 ; R2.1@69.995,51.455 68.9,51.455 ; R10.1 70.005,36.445 71.995,36.445 Q5.2 74.946,36.44 v1(75.9,37.395) ; R2.1 70.005,51.445 71.995,51.445 Q2.2 ; Q1.2 Q1.2@71.998,28.942 ; Q10.2 71.995,66.445 70.005,66.445 R20.1 69.8,66.45 68.9,65.55 68.9,51.455 ; Q10.2@72.003,66.437 v1@75.862,66.437 ; Q2.2@72.1,51.44 v1@75.96,51.44 ; R7.1 73.805,54.945 75.795,54.945 Q4.2 ; R6.1 73.905,32.445 75.795,32.445 Q3.2@75.798,32.442 ; R15.1 73.905,39.945 75.695,39.945 Q7.2 ; R23.1 73.905,47.445 75.895,47.445 Q11.2 ; R16.1 73.905,62.445 75.895,62.445 Q8.2 v1(75.9,60.8) ; R24.1 73.905,69.945 75.895,69.945 Q12.2 ; v1(75.5,29) 75.47,28.97 72.025,28.97 Q1.2@71.998,28.942 ; v1(75.5,30.6) 75.538,30.638 75.538,32.365 75.616,32.442 Q3.2@75.798,32.442 ; v1@75.76,43.94 75.74,43.92 72.02,43.92 Q9.2 71.995,43.945 70.005,43.945 R19.1 68.9,43.95 ; Q3.2 Q3.2@75.798,32.442 ; v1(75.8,45.8) Q11.2@75.8,47.44 ; Q3.2@75.897,32.442 Q3.2@75.798,32.442 ; v1(75.9,38.9) 75.862,38.938 75.862,39.902 Q7.2@75.9,39.94 ; v1(75.902,68.298) Q12.2@75.902,69.937 ; v1(76,53.3) Q4.2@76,54.94 ; 68.9,28.95 68.9,36.455 ; 68.9,28.95 R1.1 70.005,28.945 71.995,28.945 Q1.2@71.998,28.942 ; 68.9,36.455 68.9,43.95 ; 68.9,43.95 68.9,51.455
  Bottom Layer w0.5: H1.2 27.7,45.5 29,45.5 30.8,43.7 30.8,35.1 36.7,29.2 36.7,27.3 37.7,26.3 39.9,26.3 45.2,31.6 60.7,31.6 65.9,26.4 67.7,26.4 v1(69,27.7) ; v1(75.5,29) v1(75.5,30.6) ; v1(75.8,43.9) v1(75.8,45.8) ; v1(75.9,37.395) v1(75.9,38.9) ; v1(75.9,58.9) v1(75.9,60.8) ; v1(75.902,66.397) v1(75.902,68.298) ; v1(76,51.4) v1(76,53.3)
VCC_2: H1.4
pads on no net: J1.6 J1.12 U2.4 U4.15 U5.6 U5.7 U5.9 U5.15 U6.14 U7.4

## Polygon pours and split planes (outlines as drawn)
GND on Bottom Layer "NONET_L-01_P-001" (solid, remove dead copper, pour order 3): 25.7,77.4 25.7,25.7 108,25.7 108.1,25.8 108.1,77.4
GND on Top Layer "NONET_L-01_P-001" (solid, remove dead copper, pour order 1): 25.7,77.4 25.7,25.7 108,25.7 108.1,25.8 108.1,77.4

## Other copper
Top Layer:
  pour cut-out: 66.74,59.3 38.8,59.3 38.8,59.06 38.74,59 66.74,59
  pour cut-out: 66.8,27.9 66.8,55.84 66.56,55.84 66.5,55.9 66.5,27.9
  pour cut-out: 38.9,27.9 38.9,55.84 39.14,55.84 39.2,55.9 39.2,27.9
  pour cut-out: 43.8,25.4 43.8,31.3 62,31.3 62,25.4
  pour cut-out: 106.8,69.5 106.8,34 79.2,34 79.2,69.5
  pour cut-out: 106.8,69.5 106.8,34 79.2,34 79.2,69.5
Bottom Layer:
  pour cut-out: 43.8,25.4 43.8,31.3 62,31.3 62,25.4

## Silkscreen, mask and mechanical layers (free items; w line width, h text height)
Top Overlay:
  lines w0.2: 79.2,34.2 79.2,69.3 106.6,69.3 106.6,34.2 79.2,34.2
  lines w0.3: 26.6,41.8 26.6,41.1 28.2,39.5 28.2,33 ; 26.7,67 33.6,67 ; 29.3,45.9 32.6,42.6 32.6,32.9 ; 32.6,27.4 36.8,27.4 36.8,33.6 36.07,34.33 ; 32.6,31.5 32.6,33.61 33.33,34.34 ; 33.044,45.555 33.044,58.655 ; 33.6,69.5 33.6,64.7 ; 35.7,64.7 33.6,64.7 ; 35.8,70.2 35.2,69.6 26.7,69.6 26.7,64.7 33.6,64.7
  lines w0.4: 29,45.9 29.3,45.9 ; 25.6,25.6 25.6,77.5 108.2,77.5 108.2,25.6 25.6,25.6
  text "USB-C PROGRAMMING" at 66.697,73.543 h1
  text "ROW CONTROL" at 82.157,70.013 h1 r90
  text "RESET" at 27.247,67.446 h1.2
  text "BOOT" at 27.946,65.046 h1.2
  text "45" at 39.34,60.954 h1 r90
  text "48" at 41.88,60.954 h1 r90
  text "47" at 44.42,60.954 h1 r90
  text "21" at 46.96,60.954 h1 r90
  text "14" at 49.5,60.954 h1 r90
  text "13" at 52.04,60.954 h1 r90
  text "12" at 54.58,60.954 h1 r90
  text "11" at 57.12,60.954 h1 r90
  text "10" at 59.54,60.954 h1 r90
  text "9" at 62.14,60.954 h1 r90
  text "46" at 64.74,60.954 h1 r90
  text "32" at 67.34,60.954 h1 r90
  text "20" at 63.379,55.36 h1
  text "35" at 40.554,55.3 h1
  text "ESP32S3 MICROCONTROLLER" at 43.848,53.521 h1.2
  text "19" at 63.546,52.82 h1
  text "36" at 40.554,52.76 h1
  text "8" at 64.379,50.28 h1
  text "37" at 40.554,50.22 h1
  text "18" at 63.546,47.74 h1
  text "38" at 40.554,47.68 h1
  text "GND" at 29.754,45.954 h1.02
  text "3.3" at 33.554,45.954 h1.02
  text "17" at 63.546,45.2 h1
  text "39" at 40.554,45.14 h1
  text "16" at 63.546,42.66 h1
  text "40" at 40.554,42.6 h1
  text "GND" at 29.501,41.6 h0.9
  text "3.3" at 29.651,40.4 h0.9
  text "15" at 63.546,40.12 h1
  text "41" at 40.554,40.06 h1
  text "GND" at 29.501,39.2 h0.9
  text "GND" at 29.501,38 h0.9
  text "7" at 64.379,37.58 h1
  text "42" at 40.554,37.52 h1
  text "LED MATRIX - 8 ROWS 12 COLUMNS" at 107.9,37.038 h1 r90
  text "+B" at 30.4,36.8 h0.9
  text "GND" at 29.501,35.6 h0.9
  text "RX" at 40.554,35.1 h1
  text "6" at 64.379,35.04 h1
  text "+A" at 30.4,34.4 h0.9
  text "GND" at 29.501,33.2 h0.9
  text "3.3" at 33.551,32.9 h0.9
  text "TX" at 40.554,32.5 h1
  text "5" at 64.379,32.5 h1
  text "RX" at 33.926,31.7 h0.9
  text "TX" at 33.926,30.5 h0.9
  text "2" at 40.554,29.9 h1
  text "GND" at 33.476,29.3 h0.9
  text "UART" at 33.101,27.8 h0.9
  text "1" at 40.554,27.3 h1
  text "COL CONTROL" at 100.457,26.413 h1 r90
Bottom Overlay:
  drawing of 26 lines, arcs and shapes, not listed
  text "JLCJLCJLCJLC" at 52.7,74.8 h1.02
  text "G" at 29.446,60.354 h1.02
  text "+3.3V" at 33.346,57.754 h1.02
  text "G" at 29.446,55.274 h1.02
  text "G" at 29.446,52.734 h1.02
  text "+B" at 30.446,50.354 h1.02
  text "G" at 29.446,47.654 h1.02
  text "+A" at 30.446,45.254 h1.02
  text "G" at 29.446,42.574 h1.02
  text "JANUARY 2025" at 76.36,32.56 h1.4 r270
  text "SCHEMATIC DESIGN AND PCB LAYOUT BY: / ADRIAN SUCAHYO" at 80.1,32.4 h1.5 r270
  text "ESP32 LED MATRIX BOARD V1.0" at 92.1,31.4 h2.5 r270
  text "DESIGNED FOR THE UNIVERSITY OF UTAH IEEE X FSAE ALTIUM WORKSHOP" at 69.5,28.8 h1.27 r270